# Altium PCB 0416.PcbDoc (part 2 of 3)
Units mm, origin at the board's own origin, x right, y up, seen from the top; angles counter-clockwise.
Board outline 152.4 x 101.6 mm, 4 copper layers (Top Layer, Signal Layer 2, Signal Layer 1, Bottom Layer), stack 0.778 mm thick; 260 components, 304 nets, 1192 pads, 269 vias.
Unrouted connection lines stored in the file: 259.
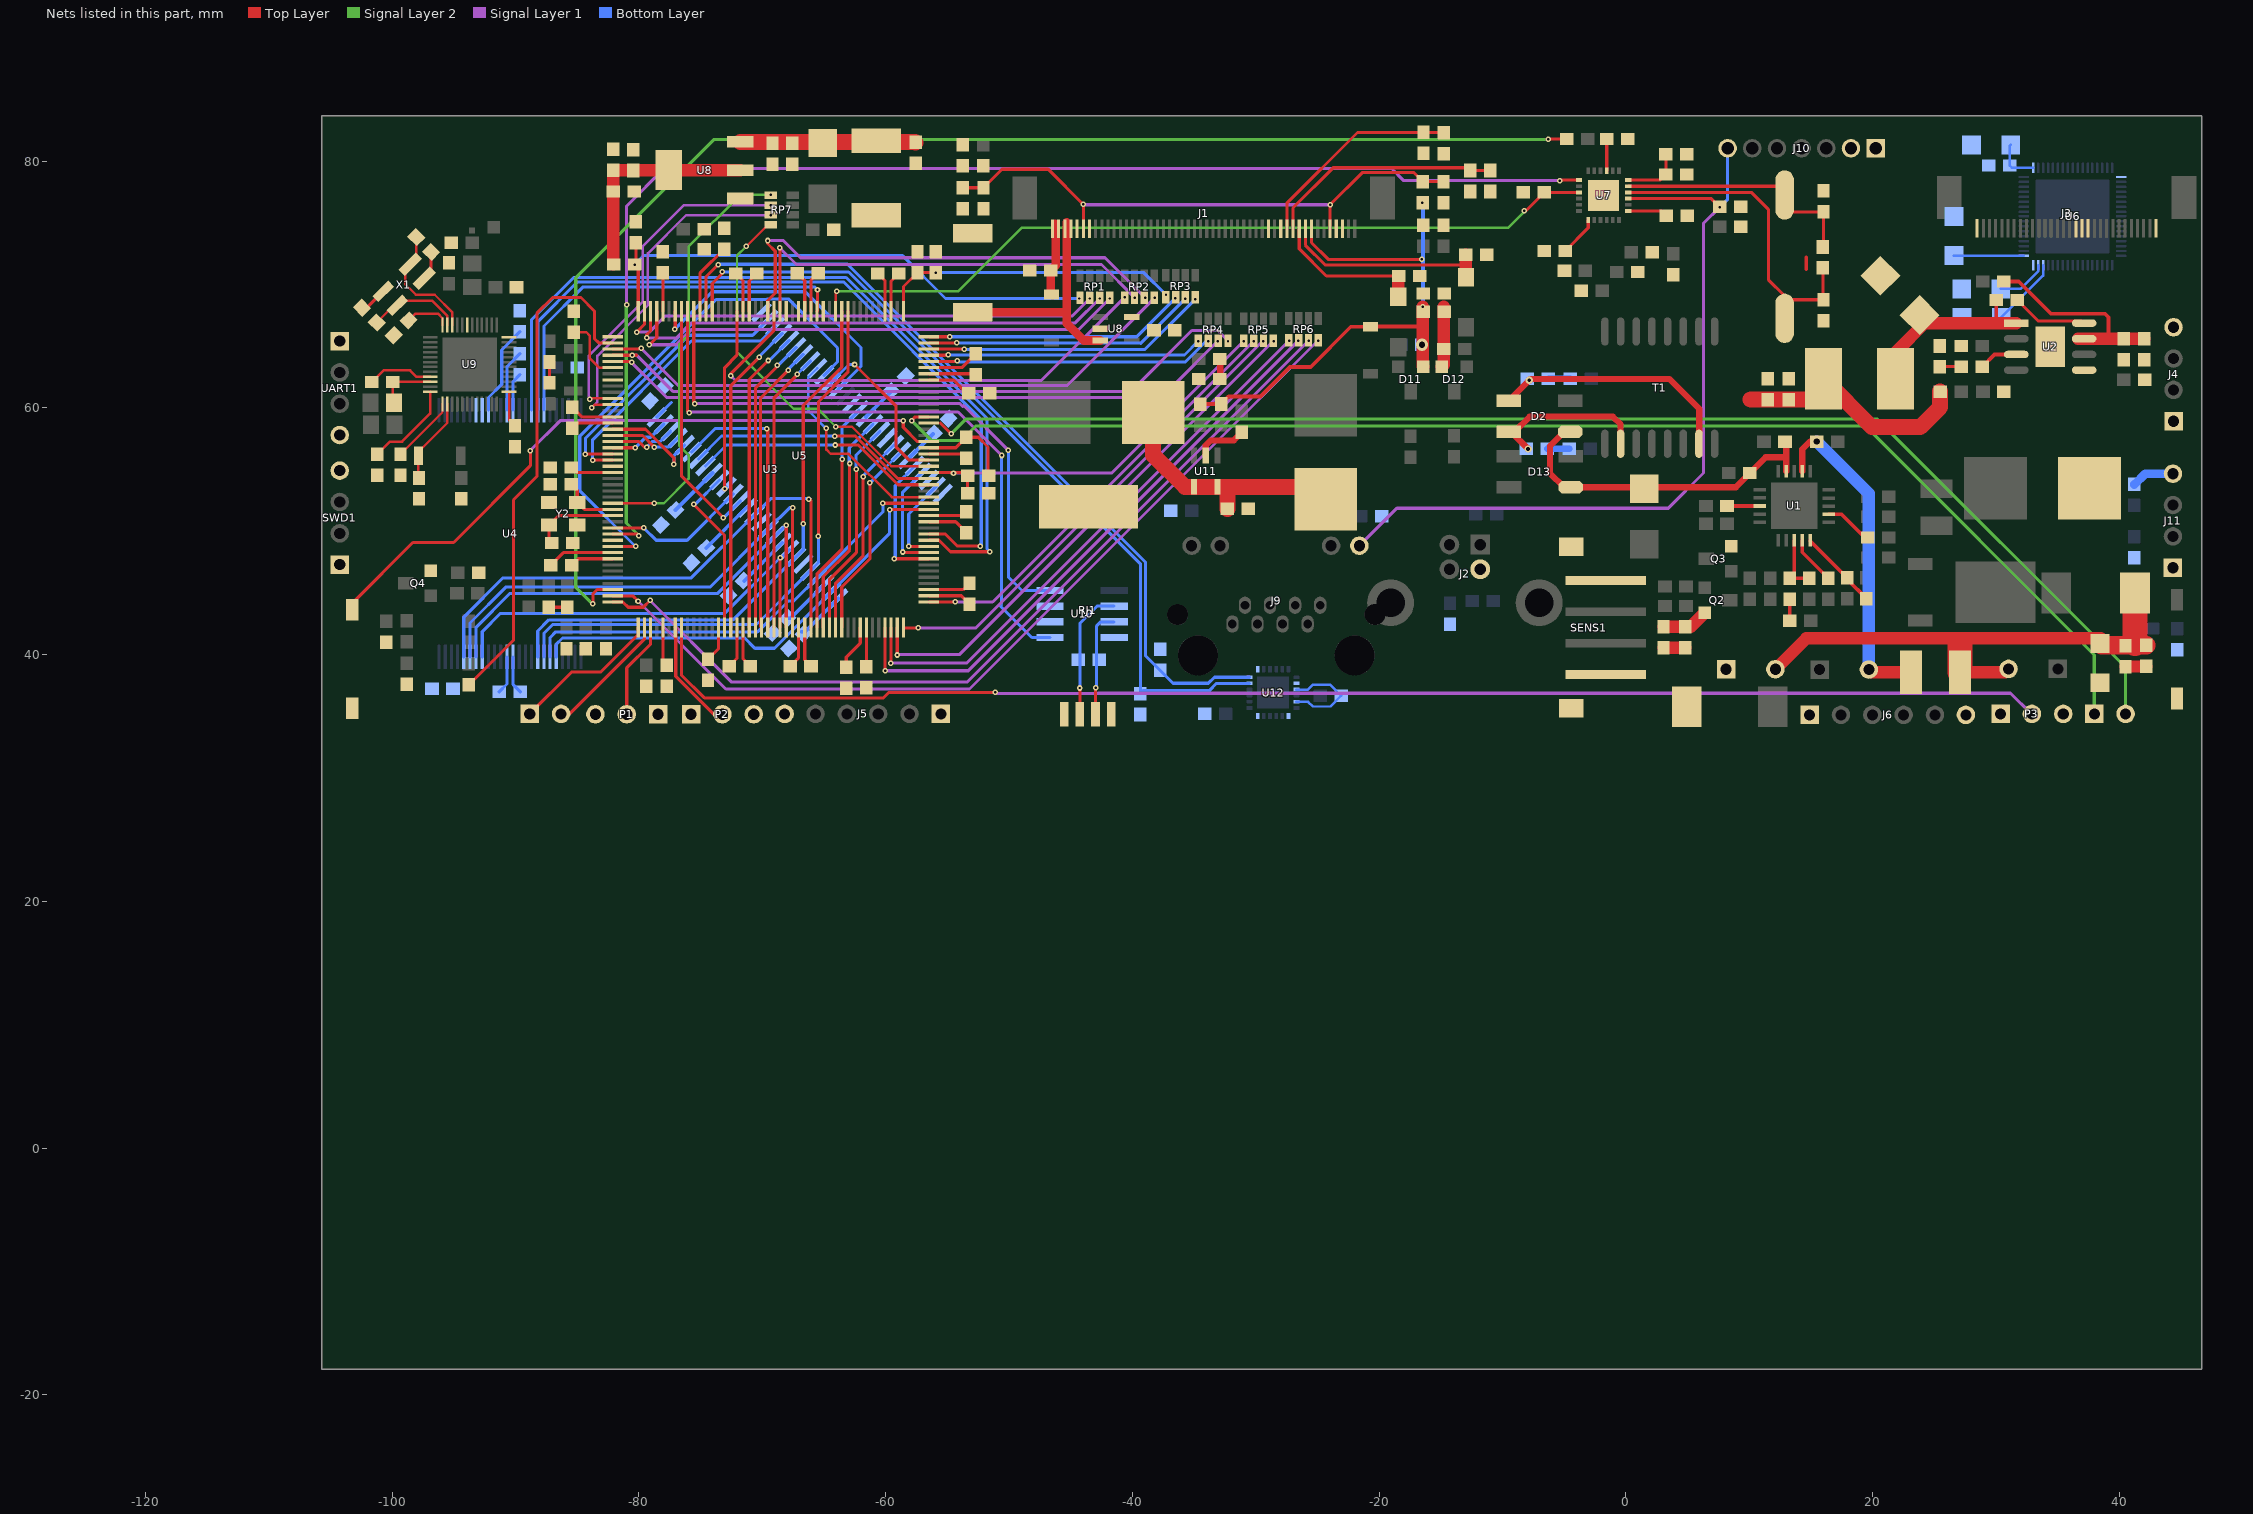
[diagram p4: the nets of this part, all layers, seen from the top]

## Via types
v1: diameter 0.45, hole 0.2, Top Layer to Bottom Layer, 216 vias
v2: diameter 0.5, hole 0.3, Top Layer to Bottom Layer, 36 vias
v3: diameter 0.6, hole 0.6, Top Layer to Bottom Layer, 9 vias
v4: diameter 1, hole 0.5, Top Layer to Bottom Layer, 6 vias
v5: diameter 0.6, hole 0.3, Top Layer to Bottom Layer, 2 vias

## Nets (pads, with @x,y where several pads share a name; then routed paths per layer and width w, separated by ;. In a path a pad name is that pad's centre, name@x,y a point inside that pad or via, vN(x,y) a via of type N, cw(c..) or ccw(c..) an arc to the next point about the centre after c; other vN are vias at no path point)
3V3: C2.2 C19.1 C34.2 C35.2 C36.2 C37.2 C38.2 C39.2 C40.2 C41.1 C42.2 C43.2 C44.2 C45.2 C46.2 C47.2 C53.2 C54.2 C55.2 C56.2 C57.2 C58.2 C59.2 C60.2 C61.2 C64.2 C67.2 C68.2 C69.2 C79.1 C82.1 C96.1 C99.2 C100.2 J1.7 J5.1 J6.1 P1.1 P2.1 P3.1 Q4.2 R6.2 R17.1 R18.2 R20.1 R21.2 R22.2 R24.2 R27.2 R32.2 R34.1 R36.1 R37.1 R39.2 R48.2 R49.1 R51.2 R55.1 R56.1 R57.1 R58.1 R65.1 R81.1 R82.1 SENS1.4 SWD1.4 U3.6 U3.15 U3.23 U3.36 U3.49 U3.62 U3.72 U3.82 U3.91 U3.103 U3.114 U3.127 U3.136 U3.149 U3.159 U3.172 U5.1 U5.3 U5.9 U5.14 U5.27 U5.43 U5.49 U6.33 U7.1 U7.9 U7.19 U8.2@-71.775,79.275 U8.4@-77.575,79.275 U9.13 U9.36 U9.48 U12.8 U12.13 | length 132.5
  Top Layer w0.2: C79.1@-101.2,56.25 -100.175,57.275 -99.2,57.275 -96.925,59.55 U9.48@-96.925,61.325 ; C82.1@-98.675,67.1 -98.125,67.65 -96.3,67.65 -95.925,67.275 U9.36@-95.925,66.725 ; U9.13@-90.525,61.325 -90.525,59.025 C96.1@-90.05,58.55 ; C19.1@-85.275,66.15 -84.275,66.15 -84,65.875 -84,64.05 -83.225,63.275 U3.6@-82.125,63.275
  Top Layer w0.254: C57.2@-87.15,47.25 -86.125,48.275 U3.36@-82.125,48.275 ; C43.2@-85.5,55.5 C43.2@-85.475,55.5 ; C43.2@-85.475,55.175 -85.075,54.775 U3.23@-82.125,54.775 ; C42.2@-85.4,58.35 -84.975,58.775 U3.15@-82.125,58.775 ; C46.2@-78.059,39.041 U3.49@-78.059,42.209 ; U3.172@-78.059,67.84 C47.2@-78.059,70.934 ; C60.2@-72.15,70.9 -71.56,70.31 U3.159@-71.56,67.84 ; U3.62@-71.56,42.209 -71.56,39.66 C58.2@-70.975,39.075 ; C59.2@-67.175,70.925 -66.559,70.309 U3.149@-66.559,67.84 ; U3.72@-66.559,42.209 -66.559,39.584 C44.2@-66.05,39.075 ; C45.2@-61.575,39.025 -61.559,39.041 U3.82@-61.559,42.209 ; C61.2@-60.65,70.9 -60.06,70.31 U3.136@-60.06,67.84 ; U3.91@-56.494,45.275 -53.725,45.275 C56.2@-53.2,45.8 ; U3.103@-56.494,51.275 -53.781,51.275 C53.2@-53.456,51.6 ; U3.114@-56.494,56.775 -54.306,56.775 C54.2@-53.456,57.625 -52.5,57.625 -51.706,56.831 R22.2@-51.706,54.575 ; U3.127@-56.494,63.275 -53.825,63.275 C55.2@-52.7,64.4 ; C69.2@-4.925,72.725 -3.05,74.6 U7.19@-3.05,75.225 ; U7.9@-1.55,79.225 C67.2@-1.55,81.8 ; U7.1@0.2,75.975 2.875,75.975 C68.2@3.275,75.575
  Top Layer w1: R27.2@-82.075,71.65 C41.1@-82.075,77.55 C100.2@-82.075,79.275 U8.2@-71.775,79.275
  Bottom Layer w0.2: C64.2@30.399,69.65 32,69.65 33.425,71.075 U6.33@33.425,71.575
  Bottom Layer w0.254: U5.27@-78.558,59.258 -77.375,60.441
  Bottom Layer w0.3: C37.2@-74.548,48.652 -71.296,51.904 U5.14@-71.204,51.904 ; C36.2@-71.473,45.978 U5.9@-68.375,49.075 ; C35.2@-67.948,42.952 -67.711,42.952 U5.3@-64.981,45.681 ; C34.2@-66.848,41.852 -66.548,41.852 U5.1@-63.85,44.55 ; U5.43@-61.587,59.258 -61.587,59.288 C39.2@-59.587,61.287 ; U5.49@-58.193,55.864 C40.2@-56.166,57.891
12V: C7.2 C9.1 C14.2 C15.2 C16.2 C52.2 C107.2 D3.1 J10.1 L1.2 R10.2 R14.2 R38.2 U2.7 | length 59.9
  Top Layer w0.3: R38.2@30.625,70.25 31.85,70.25 34.45,67.65 38.825,67.65 39.125,67.35 39.125,65.835 39.35,65.61
  Top Layer w1: C9.1@3.05,40.575 R10.2@4.825,40.575 ; C15.2@12.125,38.825 14.624,41.324 C14.2@38.5,41.324 ; L1.2@27.081,38.575 30.75,38.575 C16.2@31.025,38.85 ; U2.7@36.65,65.61 U2.7@37.15,65.61 39.35,65.61 40.335,65.61 C52.2@40.35,65.625 ; C52.2@40.35,65.61 42.01,65.61 C107.2@42.025,65.625
  Top Layer w1.5: C14.2@38.574,40.75 C7.2@42.175,40.75
  Top Layer w2: L1.2@27.081,38.575 27.081,40.65 ; 41.275,40.9 D3.1@41.275,45
52832RESET: U3.8 U9.24
+5V: C49.2 C50.2 C72.2 C94.2 C97.2 C98.1 C101.1 C102.2 D8.2 D20.2 J4.1 J11.1 L4.1 L7.1 L8.1 R41.2 RJ1.1 U8.3@-71.775,81.575 U10.3 U11.4 U11.5 UART1.4 | length 54.8
  Top Layer w1.3: U8.3@-71.775,81.575 -57.625,81.575 C102.2@-57.575,81.525 ; L4.1@-38.312,59.632 -38.312,56.187 -35.735,53.61 U11.4@-35,53.61 U11.5@-33.1,53.61 -32.4,53.61 ; C94.2@-32.3,51.825 -32.3,53.51 -32.4,53.61 ; L7.1@-24.318,52.612 -25.316,53.61 -32.4,53.61 ; 10.125,60.704 16.129,60.704 L8.1@16.129,61.55 ; L8.1@16.029,62.375 19.954,58.45 23.85,58.45 25.475,60.075 R41.2@25.475,61.325
+10.4V: C88.2 C92.2 C93.2 C95.1 D11.1 D15.2 J1.43 R26.2 R74.1 | length 44.7
  Top Layer w0.253: J1.43@-25.475,74.525 -25.475,73.4 -24.125,72.05 v1(-16.55,72.05)
  Top Layer w0.3: R74.1@-34.5,60.3 -34.475,60.325 C95.1@-32.8,60.325 -32.2,60.925 -29.625,60.925 -27.225,63.325 -25.55,63.325 -22.295,66.58 D15.2@-20.7,66.58 ; D15.2@-20.678,66.597 -16.472,66.597
  Top Layer w1: v1(-16.45,68.2) -16.45,66.575 -16.45,63.357 D11.1@-16.434,63.341
  Bottom Layer w0.3: v1(-16.5,76.625) v1@-16.375,76.5 ; v1(-16.45,68.2) v1@-16.45,76.65
  other v4: -16.525,65.125
+16V: C89.2 D14.1 J1.41 | length 12.3
  Top Layer w0.25: J1.41@-26.475,74.525 -26.475,72.9 -24.275,70.7 C89.2@-18.4,70.7
  Top Layer w1: D14.1@-18.45,69.007 -18.45,70.65 C89.2@-18.4,70.7
-7V: C84.1 D10.2 J1.42 | length 16.8
  Top Layer w0.25: J1.42@-25.975,74.525 -25.975,73.2 -24.35,71.575 -12.975,71.575
  Top Layer w1: D10.2@-12.975,70.607 -12.975,71.575 C84.1@-12.975,72.425
AD1: P1.2 U3.47 | length 7.9
  Top Layer w0.254: P1.2@-80.99,35.175 -80.99,38.933 -79.108,40.816 -79.059,40.816 U3.47@-79.059,42.209
AD2: P2.2 U3.51 | length 9
  Top Layer w0.254: U3.51@-77.059,42.209 -77.021,42.171 -77.021,38.246 -73.95,35.175 P2.2@-73.235,35.175
AD3: P3.2 U3.52 | length 115
  Top Layer w0.254: U3.52@-76.56,42.209 -76.56,38.36 -74.696,36.496 -60.179,36.496 -59.725,36.95 v1(-51.125,36.95)
  Signal Layer 1 w0.254: v1(-51.125,36.95) -51.021,36.846 -42.812,36.846 -42.784,36.875 31.185,36.875 P3.2@32.86,35.2
BL_GND: J1.3 J1.4 R71.2 U8.3@-42.6,65.475 | length 19
  Top Layer w0.7: R71.2@-52.95,67.75 -45.427,67.75 ; -45.325,75.05 -45.327,75.048 -45.327,66.852 -43.95,65.475 U8.3@-42.6,65.475
BL_VCC: C74.2 D9.2 J1.1 J1.2 | length 6
  Top Layer w0.7: D9.2@-46.475,69.13 D9.2@-46.55,69.205 -46.625,69.28 C74.2@-46.625,71.15 -46.225,71.55 -46.225,74.9 -46.25,74.925
BOOT0: R52.2 U3.166 | length 6
  Top Layer w0.254: U3.166@-75.059,67.84 -75.059,70.916 R52.2@-73.025,72.95
BOOT1: R53.2 U3.58 | length 2.9
  Top Layer w0.254: R53.2@-74.4,39.625 -73.56,40.465 U3.58@-73.56,42.209
CAN1_H: R73.2 RJ1.3 U10.7 | length 8.7
  Top Layer w0.25: RJ1.3@-42.99,35.175 v1@-42.99,37.31
  Bottom Layer w0.25: v1(-42.975,37.325) -42.925,37.375 -42.925,42.3 -42.56,42.665 U10.7@-41.475,42.665
CAN1_L: R73.1 RJ1.2 U10.6 | length 10.7
  Top Layer w0.25: RJ1.2@-44.26,35.175 -44.26,37.29 v1(-44.25,37.3)
  Bottom Layer w0.25: v1(-44.25,37.3) -44.25,42.55 -42.865,43.935 U10.6@-41.475,43.935
CAN1_RX: U3.167 U10.4 | length 48.8
  Top Layer w0.25: U3.167@-75.56,67.84 -75.56,60.285 -75.494,60.35 v1(-75.475,60.35)
  Signal Layer 1 w0.25: v1(-75.475,60.35) -53.975,60.35 -53.75,60.125 -53.675,60.2 v1(-50.05,56.575)
  Bottom Layer w0.25: v1(-50.05,56.575) -50.05,46.3 -48.955,45.205 U10.4@-46.675,45.205
CAN1_TX: U3.168 U10.1 | length 52.3
  Top Layer w0.25: v1@-76.059,59.725 U3.168@-76.059,67.84
  Signal Layer 1 w0.25: v1(-75.925,59.625) -75.925,59.65 -75.9,59.675 -75.614,59.675 -75.612,59.673 -75.238,59.673 -75.236,59.675 -54.125,59.675 v1(-50.6,56.15)
  Bottom Layer w0.25: v1(-50.6,56.15) -50.6,44.1 -50.725,43.975 -48.145,41.395 U10.1@-46.675,41.395
DEC1: C78.1 U9.1 | length 5.5
  Top Layer w0.2: C78.1@-99.325,56.25 -95.925,59.65 U9.1@-95.925,60.325
ETH_MDC: U3.33 U7.13 | length 108.3
  Top Layer w0.254: U3.33@-82.125,49.775 -80.125,49.775 v1(-80,49.65) ; v1(-5.35,78.429) v1@-5.35,78.475 ; v1@-5.35,78.475 U7.13@-3.8,78.475
  Signal Layer 1 w0.254: v1(-81,68.35) -81,76.375 -77.95,79.425 -18.996,79.425 -18,78.429 v1(-5.35,78.429)
  Signal Layer 2 w0.254: v1(-81,68.35) -81.029,68.321 -81.029,50.679 v1(-80,49.65)
ETH_MDIO: R54.2 U3.42 | length 114.7
  Top Layer w0.254: v1(-83.729,44.127) -83.729,44.946 -83.4,45.275 U3.42@-82.125,45.275 ; v1@-6.4,81.8 R54.2@-4.8,81.8
  Signal Layer 2 w0.254: v1(-83.729,44.127) -83.798,44.127 -85.125,45.454 -85.125,70.55 -73.9,81.775 v1(-6.3,81.775)
  Bottom Layer w0.254: v1@-83.731,44.125 v1(-83.729,44.127)
ETH_RESET: R66.1 U3.144 U7.15 | length 65.2
  Top Layer w0.2: U3.144@-64.06,67.84 -64.06,69.365 v1(-63.95,69.475)
  Top Layer w0.25: v1(-8.225,75.975) -8.1,75.975 R66.1@-6.6,77.475 U7.15@-3.8,77.475
  Signal Layer 2 w0.2: v1(-63.95,69.475) -54.1,69.475 -48.975,74.6 -9.55,74.6 -8.225,75.925 v1(-8.225,75.975)
FSMC_A0: U3.16 U5.23 | length 8.3
  Top Layer w0.25: U3.16@-82.125,58.275 -79.475,58.275 -77.175,55.975 v1(-77.175,55.45)
  Bottom Layer w0.25: v1(-77.175,55.45) -77.175,56.115 U5.23@-76.295,56.995
FSMC_A1: U3.17 U5.24 | length 6
  Top Layer w0.25: U3.17@-82.125,57.775 -79.7,57.775 v1(-78.75,56.825)
  Bottom Layer w0.25: v1(-78.75,56.825) -77.597,56.825 U5.24@-76.861,57.561 U5.24@-76.861,57.564
FSMC_A2: U3.18 U5.25 | length 5.5
  Top Layer w0.25: U3.18@-82.125,57.275 -80,57.275 -79.528,56.803 v1(-79.379,56.803)
  Bottom Layer w0.25: v1@-79.414,56.8 -78.937,57.277 -78.276,57.277 U5.25@-77.426,58.126 ; v1@-79.411,56.803 v1(-79.379,56.803)
FSMC_A3: U3.19 U5.26 | length 4.9
  Top Layer w0.25: U3.19@-82.125,56.775 v1(-80.3,56.775)
  Bottom Layer w0.25: v1(-80.3,56.775) -79.447,57.628 -79.056,57.628 U5.26@-77.992,58.692
FSMC_A4: U3.20 U5.29 | length 22.3
  Top Layer w0.254: v1(-84.35,56.25) -84.325,56.275 U3.20@-82.125,56.275
  Bottom Layer w0.254: v1@-84.346,56.254 -84.346,57.529 -75.975,65.9 -70.784,65.9 U5.29@-69.507,67.177
FSMC_A5: U3.21 U5.30 | length 22
  Top Layer w0.254: v1@-83.85,55.8 -83.825,55.775 U3.21@-82.125,55.775
  Bottom Layer w0.254: v1(-83.75,55.775) -83.75,57.425 -75.75,65.425 -70.128,65.425 U5.30@-68.941,66.612
FSMC_A6: U3.60 U5.31 | length 25.5
  Top Layer w0.254: U3.60@-72.56,42.209 -72.56,61.79 v1(-70.25,64.1)
  Bottom Layer w0.254: v1@-70.25,64.172 U5.31@-68.376,66.046
FSMC_A7: U3.63 U5.32 | length 24.7
  Top Layer w0.25: U3.63@-71.059,42.209 -71.059,62.316 v1(-69.525,63.85)
  Bottom Layer w0.254: v1(-69.525,63.85) -69.44,63.85 U5.32@-67.81,65.48
FSMC_A8: U3.64 U5.33 | length 24.2
  Top Layer w0.25: U3.64@-70.56,42.209 -70.56,61.59 v1@-68.725,63.425
  Bottom Layer w0.254: v1(-68.775,63.475) -68.775,63.384 U5.33@-67.244,64.915
FSMC_A9: U3.65 U5.34 | length 23.6
  Top Layer w0.25: U3.65@-70.059,42.209 -70.152,42.302 -70.152,60.798 v1(-67.9,63.05)
  Bottom Layer w0.254: v1(-67.9,63.05) -67.9,63.127 U5.34@-66.678,64.349
FSMC_A10: U3.66 U5.22 | length 23
  Top Layer w0.25: v1(-69.625,58.325) -69.56,58.26 U3.66@-69.56,42.209
  Bottom Layer w0.25: U5.22@-75.729,56.429 -73.834,58.325 v1(-69.625,58.325)
FSMC_A11: U3.67 U5.35 | length 22.8
  Top Layer w0.254: U3.67@-69.059,42.209 -69.059,60.791 v1@-67.125,62.725
  Bottom Layer w0.254: v1(-67.15,62.75) -67.146,62.75 U5.35@-66.113,63.783
FSMC_A12: U3.106 U5.36 | length 17.2
  Top Layer w0.2: v1@-64.8,58.15 -64.8,56.625 -64.45,56.275 -63.703,56.275 -63.702,56.277 -62.998,56.277 -59.497,52.775 U3.106@-56.494,52.775
  Bottom Layer w0.2: U5.36@-65.547,63.218 -66.275,62.49 -66.275,59.8 v1(-64.825,58.35)
FSMC_A16_CLE: U3.99 U4.16 | length 66.6
  Top Layer w0.25: U3.99@-56.494,49.275 -55.675,49.275 -54.748,48.348 -51.552,48.348 v1(-51.55,48.35)
  Bottom Layer w0.25: U4.16@-88.7,59.825 -88.7,67.168 -85.291,70.577 -73.44,70.577 -73.437,70.573 -73.063,70.573 -73.06,70.577 -63.202,70.577 -51.775,59.15 -51.775,48.575 v1(-51.55,48.35)
FSMC_A17_ALE: U3.100 U4.17 | length 63.9
  Top Layer w0.254: U3.100@-56.494,49.775 -55.15,49.775 -54.175,48.8 v1(-52.35,48.8)
  Bottom Layer w0.25: U4.17@-88.2,59.825 -88.2,67 -84.975,70.225 -73.586,70.225 -73.583,70.222 -72.917,70.222 -72.914,70.225 -63.425,70.225 -52.25,59.05 -52.25,48.9 v1(-52.35,48.8)
FSMC_BA0: U3.108 U5.20 | length 20.1
  Top Layer w0.25: v1(-64.081,57) -62.225,57 -59,53.775 U3.108@-56.494,53.775
  Bottom Layer w0.25: U5.20@-74.598,55.298 -72.896,57 v1(-64.081,57)
FSMC_BA1: U3.109 U5.21 | length 20.9
  Top Layer w0.25: v1(-64.125,57.725) -62.453,57.725 -59.003,54.275 U3.109@-56.494,54.275
  Bottom Layer w0.25: U5.21@-75.164,55.864 -73.302,57.725 v1(-64.125,57.725)
FSMC_D0: U3.104 U4.29 U5.2 | length 37.5
  Top Layer w0.254: v1(-59.675,51.75) -59.65,51.775 U3.104@-56.494,51.775
  Bottom Layer w0.25: U4.29@-86.7,39.825 -86.7,40.85 -86.2,41.35 -71.425,41.35 -70.6,40.525 -69.006,40.525 U5.2@-64.416,45.116
  Bottom Layer w0.254: U5.2@-64.416,45.116 -59.675,49.856 v1(-59.675,51.75)
FSMC_D1: U3.105 U4.30 U5.4 | length 37.2
  Top Layer w0.254: v1(-60.225,52.275) U3.105@-56.494,52.275
  Bottom Layer w0.254: U4.30@-87.2,39.825 -87.2,41.4 -86.75,41.85 -70.375,41.85 -67.875,44.35 -67.444,44.35 U5.4@-65.547,46.247 -60.225,51.569 v1(-60.225,52.275)
FSMC_D2: U3.142 U4.31 U5.5 | length 47.9
  Top Layer w0.254: v1(-65.45,49.6) -65.45,60.5 -63.06,62.89 U3.142@-63.06,67.84
  Bottom Layer w0.254: U4.31@-87.7,39.825 -87.7,41.75 -87,42.45 -70.475,42.45 U5.5@-66.113,46.813 -65.45,47.475 v1(-65.45,49.6)
FSMC_D3: U3.143 U4.32 U5.7 | length 47
  Top Layer w0.254: v1(-66.679,50.629) -66.679,60.196 -63.559,63.316 U3.143@-63.559,67.84
  Bottom Layer w0.25: U4.32@-88.2,39.825 -88.2,41.925 -87.3,42.825 -72.363,42.825 U5.7@-67.244,47.944
  Bottom Layer w0.3: U5.7@-67.244,47.944 -66.679,48.51 v1(-66.679,50.629)
FSMC_D4: U3.68 U4.41 U5.8 | length 35.4
  Top Layer w0.254: U3.68@-68.56,42.209 -68.56,47.846 v1(-68.528,47.877) v1@-68.477,47.877
  Bottom Layer w0.254: U4.41@-92.7,39.825 -92.7,41.875 -91.225,43.35 -73.056,43.35 v1(-68.528,47.877) -68.526,47.875 -68.445,47.875 U5.8@-67.81,48.51
FSMC_D5: U3.69 U4.42 U5.10 | length 39.3
  Top Layer w0.254: v1(-68.075,50.507) -68.059,50.492 U3.69@-68.059,42.209
  Bottom Layer w0.25: U4.42@-93.2,39.825 -93.2,42.225 -90.45,44.975 -73.607,44.975 U5.10@-68.941,49.641
  Bottom Layer w0.254: U5.10@-68.941,49.641 v1(-68.075,50.507)
FSMC_D6: U3.70 U4.43 U5.11 | length 42.5
  Top Layer w0.254: U3.70@-67.55,42.219 v1(-67.55,51.925)
  Bottom Layer w0.254: U4.43@-93.7,39.825 -93.7,42.575 -90.8,45.475 -74.239,45.475 U5.11@-69.507,50.207 -67.789,51.925 v1(-67.55,51.925)
FSMC_D7: U3.73 U4.44 U5.13 | length 45.8
  Top Layer w0.254: v1(-66.225,52.6) -66.169,52.6 -66.06,52.49 U3.73@-66.06,42.209
  Bottom Layer w0.254: U4.44@-94.2,39.825 -94.2,43.05 -91.025,46.225 -75.751,46.225 U5.13@-70.638,51.338 -69.326,52.65 -66.15,52.65 -66.2,52.6 v1(-66.225,52.6)
FSMC_D8: U3.74 U5.42 | length 19
  Top Layer w0.254: U3.74@-65.559,42.209 -65.559,46.566 -63.525,48.6 v1(-63.525,55.85)
  Bottom Layer w0.254: v1(-63.525,55.85) -63.525,58.451 U5.42@-62.153,59.824
FSMC_D9: U3.75 U5.44 | length 18.2
  Top Layer w0.254: U3.75@-65.06,42.209 -65.06,46.34 -62.925,48.475 v1(-62.925,55.5)
  Bottom Layer w0.254: v1(-62.925,55.5) -62.95,55.525 -62.95,56.764 U5.44@-61.022,58.692
FSMC_D10: U3.76 U5.45 | length 17.6
  Top Layer w0.254: U3.76@-64.559,42.209 -64.559,46.091 -62.375,48.275 v1(-62.375,55.025)
  Bottom Layer w0.254: v1(-62.375,55.025) -62.4,55.05 -62.4,56.182 U5.45@-60.456,58.126
FSMC_D11: U3.77 U5.47 | length 16.9
  Top Layer w0.254: U3.77@-64.06,42.209 -64.06,45.79 -61.825,48.025 v1(-61.825,54.425)
  Bottom Layer w0.254: v1(-61.825,54.425) -61.85,54.425 -61.9,54.475 -61.845,54.475 U5.47@-59.325,56.995
FSMC_D12: U3.78 U5.48 | length 16.2
  Top Layer w0.254: U3.78@-63.559,42.209 -63.559,45.491 -61.275,47.775 v1(-61.275,53.95)
  Bottom Layer w0.254: v1(-61.275,53.95) -61.238,53.95 U5.48@-58.759,56.429
FSMC_D13: U3.96 U5.50 | length 11
  Top Layer w0.254: v1(-59.3,47.775) U3.96@-56.494,47.775
  Bottom Layer w0.254: v1(-59.3,47.775) -59.221,47.854 -59.221,53.704 U5.50@-57.627,55.298
FSMC_D14: U3.97 U5.51 | length 9.2
  Top Layer w0.254: v1(-58.625,48.325) -58.575,48.275 U3.97@-56.494,48.275
  Bottom Layer w0.254: v1(-58.625,48.325) -58.625,53.169 U5.51@-57.062,54.732
FSMC_D15: U3.98 U5.53 | length 7.4
  Top Layer w0.254: v1(-58.125,48.8) -58.1,48.775 U3.98@-56.494,48.775
  Bottom Layer w0.254: v1(-58.125,48.8) -58.125,51.406 U5.53@-55.93,53.601
FSMC_NBL0: U3.169 U5.15 | length 20.1
  Top Layer w0.254: U3.169@-76.56,67.84 -76.56,54.51 v1(-73.15,51.1)
  Bottom Layer w0.254: v1(-73.15,51.1) -73.139,51.1 U5.15@-71.77,52.47
FSMC_NBL1: U3.170 U5.39 | length 23.9
  Top Layer w0.254: v1(-77.1,66.375) -77.059,66.416 U3.170@-77.059,67.84
  Bottom Layer w0.254: v1(-77.1,66.375) -74.05,69.425 -66.525,69.425 -62,64.9 -62,63.371 U5.39@-63.85,61.521
FSMC_NCE3: R37.2 U3.152 U4.9 | length 7.4
  Bottom Layer w0.254: U4.9@-92.2,59.825 -92.2,60.85 -91.125,61.925 -91.125,64.7 R37.2@-89.65,66.175
FSMC_NOE: U3.146 U4.8
FSMC_NWAIT: U3.150 U4.7
FSMC_NWE: U3.147 U4.18 | length 32.2
  Top Layer w0.254: U3.147@-65.559,67.84 -65.525,67.875 v1(-65.525,69.6)
  Bottom Layer w0.254: U4.18@-87.7,59.825 -87.7,66.65 -84.55,69.8 -65.725,69.8 v1(-65.525,69.6)
FSMC_SDCKE0: U3.35 U5.37 | length 42.5
  Top Layer w0.254: U3.35@-82.125,48.775 v1(-80.275,48.775)
  Bottom Layer w0.254: v1(-80.275,48.775) -84.804,53.304 -84.804,57.721 -73.725,68.8 -69.622,68.8 -69.602,68.82 -67.845,68.82 -63.9,64.875 -63.9,63.733 U5.37@-64.981,62.652
FSMC_SDCLK: U3.112 U5.38 | length 13.7
  Top Layer w0.254: v1(-62.525,63.525) -59.15,60.15 -59.15,56.825 -58.1,55.775 U3.112@-56.494,55.775
  Bottom Layer w0.254: U5.38@-64.416,62.086 -62.977,63.525 v1(-62.525,63.525)
FSMC_SDNCAS: U3.160 U5.17 | length 15
  Top Layer w0.254: v1(-73.052,53.45) -73.052,63.273 -72.059,64.266 U3.160@-72.059,67.84
  Bottom Layer w0.254: v1(-73.052,53.45) U5.17@-72.901,53.601
FSMC_SDNE0: R49.2 U3.34 U5.19 | length 4.2
  Bottom Layer w0.3: R49.2@-77.03,51.734 U5.19@-74.032,54.732
FSMC_SDNRAS: U3.59 U5.18 | length 13.8
  Top Layer w0.25: v1(-75.575,52.2) -73.059,49.684 U3.59@-73.059,42.209
  Bottom Layer w0.25: v1@-75.433,52.2 U5.18@-73.467,54.167
FSMC_SDNWE: U3.32 U5.16 | length 11.8
  Top Layer w0.254: U3.32@-82.125,50.275 v1(-79.6,50.275)
  Bottom Layer w0.254: v1(-79.6,50.275) -78.6,49.275 -76.096,49.275 U5.16@-72.335,53.035
GND: C2.1 C7.1 C10.1 C14.1 C15.1 C17.1 C18.1 C19.2 C20.1 C21.1 C22.1 C23.1 C24.1 C25.1 C26.1 C27.1 C28.1 C29.2 C30.2 C31.2 C32.1 C33.1 C34.1 C35.1 C36.1 C37.1 C38.1 C39.1 C40.1 C41.2 C42.1 C43.1 C44.1 C45.1 C46.1 C47.1 C49.1 C50.1 C52.1 C53.1 C54.1 C55.1 C56.1 C57.1 C58.1 C59.1 C60.1 C61.1 C62.1 C63.1 C64.1 C65.1 C66.1 C67.1 C68.1 C69.1 C70.2 C71.2 C72.1 C74.1 C75.1 C76.2 C77.2 C78.2 C79.2 C80.2 C81.2 C82.2 C83.2 C84.2 C87.1 C89.1 C90.1 C91.1 C92.1 C93.1 C94.1 C96.2 C97.1 C98.2 C99.1 C100.1 C101.2 C102.1 C107.1 C110.1 C116.2 C117.1 D4.1 D6.2 D12.2 J1.5 J1.36 J1.38 J1.47 J1.48 J2.4 J3.1 J3.17 J3.18 J3.19 J3.30 J4.4 J5.6 J6.6 J10.2 J11.4 L2.2 P1.3 P2.3 P3.3 Q3.2 R14.1 R16.2 R19.2 R23.2 R25.2 R28.2 R29.2 R30.1 R33.2 R35.1 R42.2 R43.1 R44.2 R45.2 R50.1 R52.1 R53.1 R59.1 R60.1 R63.2 R64.2 R66.2 R69.2 R71.1 R75.2 R100.2 R200.2 RJ1.4 RJ1.5 S1.2 S2.1 SENS1.1 SENS1.5 SWD1.1 U2.5 U2.9 U3.14 U3.22 U3.37 U3.61 U3.71 U3.90 U3.102 U3.113 U3.126 U3.135 U3.148 U3.158 U4.13 U4.36 U5.6 U5.12 U5.28 U5.41 U5.46 U5.52 U5.54 U6.1 U6.34 U7.25 U8.1@-71.775,76.975 U8.2@-42.6,66.425 U9.31 U9.45 U10.2 U10.8 U11.2 U12.1 U12.9 U12.11 U12.18 UART1.1 X1.2 X1.4 Y2.2 Y2.4 | length 80.6
  Top Layer w0.2: C75.1@-101.65,62.1 -100.7,63.05 -98.55,63.05 -98.025,62.525 U9.45@-96.925,62.525
  Top Layer w0.254: C76.2@-102.452,68.127 -102.054,68.127 X1.2@-100.726,69.455 ; X1.4@-97.403,70.516 -96.848,71.071 C80.2@-96.848,72.648 ; C21.1@-87.3,43.975 C21.1@-87.3,43.85 C22.1@-85.625,43.85 ; C30.2@-87.25,62.05 C29.2@-87.25,63.725 ; C57.1@-85.45,47.25 -84.925,47.775 U3.37@-82.125,47.775 ; C42.1@-85.4,60.05 -84.625,59.275 U3.14@-82.125,59.275 ; C58.1@-72.675,39.075 -72.059,39.691 U3.61@-72.059,42.209 ; U3.158@-71.059,67.84 -71.059,70.291 C60.1@-70.45,70.9 ; C44.1@-67.75,39.075 -67.06,39.766 U3.71@-67.06,42.209 ; U3.148@-66.06,67.84 -66.06,70.34 C59.1@-65.475,70.925 ; U3.135@-59.559,67.84 -59.559,70.291 C61.1@-58.95,70.9 ; U3.90@-56.494,44.775 -53.875,44.775 C56.1@-53.2,44.1 ; U3.102@-56.494,50.775 -54.331,50.775 C53.1@-53.456,49.9 ; U3.113@-56.494,56.275 -53.806,56.275 C54.1@-53.456,55.925 ; U3.126@-56.494,62.775 -52.775,62.775 C55.1@-52.7,62.7 ; C54.1@-53.578,55.803 C54.1@-53.375,55.6 ; C53.1@-53.316,50.041 C53.1@-53.175,49.9
  Top Layer w0.5: U11.2@-34.05,56.15 -34.05,56.975 -33.65,57.375 -31.775,57.375 R75.2@-31.125,58.025
  Top Layer w1: D12.2@-14.916,63.341 -14.75,63.507 C93.1@-14.75,68.2 ; R14.1@40.5,39.025 40.525,39.05 C7.1@42.175,39.05
  Bottom Layer w0.2: U12.11@-26.7,36.175 -25.75,36.175 -25.375,35.8 -23.95,35.8 C117.1@-23.075,36.675 -23.975,37.575 -25.375,37.575 -25.775,37.175 U12.9@-26.7,37.175
  Bottom Layer w0.254: U4.36@-90.2,39.825 -90.2,37.575 C24.1@-89.625,37 ; U4.13@-90.2,59.825 -90.2,62.15 C25.1@-89.65,62.7
  Bottom Layer w0.7: R50.1@41.225,53.8 42.095,54.67 J11.4@44.35,54.67
I2C1_SCL: R81.2 U3.164 U12.23 | length 67
  Top Layer w0.25: U3.164@-74.059,67.84 -74.059,70.091 -73.225,70.925 -73.25,70.95 v1(-73.25,71.025)
  Bottom Layer w0.25: v1(-73.25,71.025) -63,71.025 -39.35,47.375 R81.2@-39.35,36.85 -39.125,37.075 -33.775,37.075 -33.175,37.675 U12.23@-30.5,37.675
I2C1_SDA: R82.2 U3.165 U12.24 | length 65.8
  Top Layer w0.25: U3.165@-74.56,67.84 -74.56,70.64 v1(-73.575,71.625)
  Bottom Layer w0.25: v1@-73.425,71.65 -63.1,71.65 -38.925,47.475 -38.925,39.9 R82.2@-37.75,38.725 -36.713,37.687 -33.837,37.687 -33.35,38.175 U12.24@-30.5,38.175
I2C2_SCL: J7.1 U3.45 | length 12
  Top Layer w0.254: J7.1@-88.85,35.2 -85.45,38.6 -83.1,38.6 -80.06,41.64 U3.45@-80.06,42.209
I2C2_SDA: J7.2 U3.46 | length 10.2
  Top Layer w0.254: J7.2@-86.31,35.2 -85.606,35.2 -79.56,41.246 U3.46@-79.56,42.209
I2C3_SCL: J8.1 U3.119 | length 111
  Top Layer w0.254: v1(-57.9,58.975) -57.6,59.275 U3.119@-56.494,59.275
  Signal Layer 2 w0.254: v1(-57.9,58.975) -56.3,57.375 -53.85,57.375 -52.675,58.55 19.4,58.55 37.975,39.975 J8.1@37.975,35.2
I2C3_SDA: J8.2 U3.118 | length 109
  Top Layer w0.254: -55.55,58.775 -54.7,57.925 v1(-54.675,57.925)
  Signal Layer 2 w0.254: v1(-54.675,57.925) -53.5,59.1 20.375,59.1 40.515,38.96 J8.2@40.515,35.2
KEY1: S2.2 U3.115 | length 55.2
  Top Layer w0.25: S2.2@-103.25,43.65 -103.25,44.175 -98.325,49.1 -95.025,49.1 -88.8,55.325 v1(-88.8,56.55) ; v1(-58.575,58.975) -58.575,58.425 -57.425,57.275 U3.115@-56.494,57.275
  Signal Layer 1 w0.25: v1(-88.8,56.55) -86.348,59.002 -58.602,59.002 v1(-58.575,58.975)
LCD_B0: RP2.7 U3.3 | length 48.2
  Top Layer w0.25: U3.3@-82.125,64.775 -80.028,64.775 -79.902,64.902 v1(-79.825,64.825)
  Signal Layer 1 w0.25: v1(-79.825,64.825) -76.825,61.825 -45.275,61.825 v1(-38.175,68.925)
LCD_B1: RP2.5 U3.155 | length 38.8
  Top Layer w0.25: v1(-69.575,73.575) -69.575,73.336 -68.95,72.711 -68.95,69.325 -69.56,68.715 U3.155@-69.56,67.84
  Signal Layer 1 w0.25: v1(-69.575,73.575) -68.3,73.575 -66.9,72.175 -42.225,72.175 v1(-38.975,68.925)
LCD_B2: RP2.3 U3.153 | length 35.7
  Top Layer w0.25: v1(-68.6,73) -68.56,72.96 U3.153@-68.56,67.84
  Signal Layer 1 w0.25: v1(-68.6,73) -67.225,71.625 -42.5,71.625 v1(-39.8,68.925)
LCD_B3: RP2.1 U3.154 | length 41.6
  Top Layer w0.25: v1(-72.55,62.6) -72.55,62.775 -69.059,66.266 U3.154@-69.059,67.84
  Signal Layer 1 w0.25: v1(-72.55,62.6) -72.175,62.225 -47.375,62.225 v1(-40.625,68.975)
LCD_B4: RP1.7 U3.173 | length 41.8
  Top Layer w0.25: v1(-79.15,65.125) -78.56,65.715 U3.173@-78.56,67.84
  Signal Layer 1 w0.25: v1(-79.15,65.125) -76.975,65.125 -75.725,66.375 -44.325,66.375 v1(-41.825,68.875)
LCD_B5: RP1.5 U3.174 | length 40.4
  Top Layer w0.25: v1(-79.365,65.677) -79.365,65.935 -79.059,66.241 U3.174@-79.059,67.84
  Signal Layer 1 w0.25: v1(-79.365,65.677) -77.077,65.677 -77.025,65.625 -75.75,66.9 -44.625,66.9 v1(-42.65,68.875)
LCD_B6: RP1.3 U3.175 | length 39.8
  Top Layer w0.25: v1(-80.175,66.15) -79.56,66.765 U3.175@-79.56,67.84 ; RP1.3@-43.45,68.775 RP1.3@-43.45,68.825
  Signal Layer 1 w0.25: v1(-80.175,66.15) -79.175,66.15 -77.875,67.45 -44.875,67.45 v1(-43.45,68.875)
LCD_B7: R27.1 R29.1 RP1.1 U3.176 | length 43.5
  Top Layer w0.25: R29.1@-80.25,73.4 -80.25,71.725 v1(-80.35,71.625) -80.06,71.335 U3.176@-80.06,67.84
  Bottom Layer w0.25: v1(-80.35,71.625) -79.625,72.35 -58.625,72.35 -55.15,68.875 v1(-44.3,68.875)
LCD_BL: R69.1 R70.1 U3.1 | length 1.6
  Top Layer w0.5: R69.1@-32.925,62.35 -32.875,62.4 R70.1@-32.875,63.975
LCD_CLK: RP7.7 U3.111 | length 31
  Top Layer w0.2: v1(-71.3,73.1) -69.55,74.85 RP7.7@-69.325,74.85 ; v1(-64.05,58.475) -62.741,58.475 -59.541,55.275 U3.111@-56.494,55.275
  Signal Layer 2 w0.2: v1(-71.3,73.1) -72.05,72.35 -72.05,64.525 -67.45,59.925 -65.5,59.925 v1(-64.05,58.475)
LCD_DE: RP7.1 U3.28 | length 34.8
  Top Layer w0.2: U3.28@-82.125,52.275 v1(-78.775,52.275)
  Signal Layer 2 w0.2: v1(-78.775,52.275) -77.975,52.275 -75.975,54.275 -75.975,56.175 -76.725,56.925 -76.725,65.175 -75.975,65.925 -75.975,73.075 -71.775,77.275 v1(-69.325,77.275)
LCD_G0: RP4.7 U3.4 | length 54.2
  Top Layer w0.25: U3.4@-82.125,64.275 -80.182,64.275 -80.184,64.277 v1(-80.56,64.277)
  Signal Layer 1 w0.25: v1(-80.56,64.277) -80.177,64.277 -77.251,61.35 -40.1,61.35 -35.175,66.275 -33.075,66.275 v1@-32.25,65.45
  other v1: -32.25,65.425
LCD_G1: RP4.5 U3.5 | length 52.2
  Top Layer w0.25: U3.5@-82.125,63.775 -80.625,63.775 v1(-80.575,63.725)
  Signal Layer 1 w0.25: v1(-80.575,63.725) -80.575,63.675 -78.7,61.8 -77.75,60.85 -37.65,60.85 -36.7,61.8 v1(-33.075,65.425)
LCD_G2: RP4.3 U3.128 | length 23.4
  Top Layer w0.25: U3.128@-56.494,63.775 -54.254,63.775 v1(-54.202,63.827)
  Signal Layer 1 w0.25: v1(-54.202,63.827) v1@-54.201,63.825
  Bottom Layer w0.25: v1(-54.202,63.827) -54.099,63.723 -35.713,63.723 v1@-34.011,65.425 ; v1@-34.011,65.325 v1@-33.85,65.325
  other v1: -33.85,65.425
LCD_G3: RP4.1 U3.129 | length 22.3
  Top Layer w0.25: U3.129@-56.494,64.275 -54.95,64.275 v1(-54.925,64.3)
  Bottom Layer w0.25: v1(-54.925,64.3) -54.923,64.298 -35.777,64.298 v1(-34.65,65.425)
LCD_G4: RP3.7 U3.130 | length 23.3
  Top Layer w0.25: U3.130@-56.494,64.775 -53.65,64.775 v1(-53.625,64.75)
  Bottom Layer w0.25: v1(-53.625,64.75) -38.975,64.75 v1(-34.9,68.825)
LCD_G5: RP3.5 U3.131 | length 22.3
  Top Layer w0.25: U3.131@-56.494,65.275 v1(-54.25,65.275)
  Bottom Layer w0.25: v1(-54.25,65.275) -39.35,65.275 -39.325,65.25 v1(-35.725,68.85)
LCD_G6: RP3.3 U3.132 | length 21.3
  Top Layer w0.25: U3.132@-56.494,65.775 v1(-54.8,65.775)
  Bottom Layer w0.25: v1(-54.8,65.775) -39.65,65.775 v1(-36.525,68.9)
LCD_G7: R24.1 R25.1 RP3.1 U3.133 | length 24.5
  Top Layer w0.25: U3.133@-58.559,67.84 -58.559,69.841 R24.1@-57.425,70.975 v1(-55.95,70.975)
  Bottom Layer w0.25: v1(-55.95,70.975) -39.075,70.975 v1(-37.275,69.175)
LCD_HS: RP7.5 U3.12 | length 27.4
  Top Layer w0.2: v1(-83.825,60.025) -83.575,60.275 U3.12@-82.125,60.275
  Signal Layer 1 w0.2: v1(-83.825,60.025) -83.375,60.475 -83.375,64.225 -79.275,68.325 -79.275,72.525 -76.175,75.625 v1(-69.325,75.625)
LCD_LR: J1.39 R6.1 R16.1 | length 17.2
  Top Layer w0.25: J1.39@-27.475,74.525 -27.475,76.6 -21.75,82.325 R6.1@-14.75,82.325
LCD_R0: RP6.7 U3.43 | length 72
  Top Layer w0.25: U3.43@-82.125,44.775 -80.5,44.775 v1(-80.075,44.35)
  Signal Layer 1 w0.25: v1(-80.075,44.35) -72.95,37.225 -53.2,37.225 v1@-24.95,65.475
  other v1: -24.95,65.45
LCD_R1: RP6.5 U3.44 | length 71
  Top Layer w0.25: U3.44@-82.125,44.275 -81.3,44.275 -80.873,43.848 -79.652,43.848 v1(-79.1,44.4)
  Signal Layer 1 w0.25: v1(-79.1,44.4) -72.475,37.775 -53.4,37.775 v1@-25.7,65.475
  other v1: -25.7,65.45
LCD_R2: RP6.3 U3.85 | length 48.1
  Top Layer w0.25: U3.85@-60.06,42.209 -60.06,38.71 v1(-60.05,38.7)
  Signal Layer 1 w0.25: v1(-60.05,38.7) -53.3,38.7 v1(-26.55,65.45)
LCD_R3: RP6.1 U3.86 | length 46
  Top Layer w0.25: v1(-59.575,39.325) -59.559,39.341 U3.86@-59.559,42.209
  Signal Layer 1 w0.25: v1(-59.575,39.325) -53.425,39.325 v1(-27.3,65.45)
LCD_R4: RP5.7 U3.87 | length 43.4
  Top Layer w0.25: v1(-59.075,39.975) -59.06,39.99 U3.87@-59.06,42.209
  Signal Layer 1 w0.25: v1(-59.075,39.975) -59.1,40 -54.025,40 v1@-28.55,65.475
  other v1: -28.55,65.425
LCD_R5: RP5.5 U3.88 | length 38.8
  Top Layer w0.25: U3.88@-58.559,42.209 -58.525,42.175 v1(-57.35,42.175)
  Signal Layer 1 w0.25: v1(-57.35,42.175) -52.675,42.175 -29.425,65.425 v1(-29.4,65.425)
LCD_R6: RP5.3 U3.89 | length 35.1
  Top Layer w0.25: U3.89@-56.494,44.275 v1(-54.35,44.275)
  Signal Layer 1 w0.25: v1(-54.35,44.275) -51.325,44.275 v1(-30.175,65.425)
LCD_R7: R22.1 R23.1 RP5.1 U3.110 | length 32.7
  Top Layer w0.254: U3.110@-56.494,54.775 -53.631,54.775 R22.1@-53.356,54.5 R23.1@-53.356,53.075 R23.1@-53.356,53
  Signal Layer 1 w0.254: v1(-54.5,54.725) -41.675,54.725 v1(-30.975,65.425)
LCD_UD: J1.40 R18.1 R19.1 | length 19.1
  Top Layer w0.25: J1.40@-26.975,74.525 -26.975,76.225 -23.725,79.475 -12.825,79.475 R18.1@-12.6,79.25 R19.1@-11,79.25
LCD_VS: RP7.3 U3.11 | length 27.8
  Top Layer w0.2: v1(-84,60.725) -83.95,60.775 U3.11@-82.125,60.775
  Signal Layer 1 w0.2: v1(-84,60.725) -84.05,60.775 -84.05,64.25 -79.7,68.6 -79.7,73.1 -76.375,76.425 v1(-69.325,76.425)
LED0: D7.2 U3.2 | length 41.9
  Top Layer w0.25: D7.2@-93.8,37.55 -90.175,41.175 -90.175,52.55 -88.275,54.45 -88.275,67.675 -87,68.95 -84.7,68.95 -83.612,67.862 -83.612,65.638 -83.25,65.275 U3.2@-82.125,65.275
LINK_LED: J9.12 J10.7 R59.2 U7.3 | length 65.2
  Top Layer w0.254: U7.3@0.2,76.975 6.925,76.975 R59.2@7.6,76.3
  Signal Layer 1 w0.254: J9.12@-21.604,48.836 -18.565,51.875 3.45,51.875 6.3,54.725 6.3,74.975 v1(7.6,76.275)
  Bottom Layer w0.254: v1(7.6,76.275) 8.25,76.925 J10.7@8.25,81.05
NetC01_1: C01.1 C5.1 U1.13 | length 4.8
  Top Layer w0.3: U1.13@13.65,49.275 13.65,46.575 C5.1@13.275,46.2 C01.1@14.875,46.2
NetC1_1: C1.1 U1.17 | length 4
  Top Layer w0.3: U1.17@16.45,51.375 17.5,51.375 19.375,49.5 C1.1@19.625,49.5
NetC3_1: C3.1 R2.2 U1.15 | length 6.6
  Top Layer w0.3: U1.15@14.95,49.275 14.95,49.225 C3.1@17.95,46.225 17.95,46.1 R2.2@19.5,44.55
NetC4_1: C4.1 U1.8 | length 2.7
  Top Layer w0.3: C4.1@8.2,52.05 U1.8@10.85,52.05
NetC5_2: C5.2 R67.2 | length 1.8
  Top Layer w0.3: C5.2@13.275,44.5 13.275,42.825 R67.2@13.35,42.75
NetC6_2: C6.2 C118.2 L1.1 U1.2 | length 26.6
  Top Layer w0.5: U1.2@14.3,54.875 14.3,56.65 14.925,57.275 v4(15.475,57.275)
  Top Layer w1: C6.2@19.925,38.575 L1.1@23.119,38.575
  Bottom Layer w1: v4(15.475,57.275) 19.7,53.05 C6.2@19.7,38.8
NetC8_1: C8.1 U1.14 | length 3.9
  Top Layer w0.3: U1.14@14.3,49.275 14.3,48.3 C8.1@16.4,46.2
NetC9_2: C9.2 Q2.2 R10.1 | length 3.8
  Top Layer w1: C9.2@3.05,42.275 R10.1@4.825,42.275 5.275,42.275 Q2.2@6.384,43.384
NetC11_1: C11.1 R12.2 | length 1.8
  Bottom Layer w0.5: C11.1@-6.275,62.375 R12.2@-4.5,62.375
NetC11_2: C11.2 D2.3 T1.15 | length 19.2
  Top Layer w0.5: D2.3@-9.5,60.575 -7.725,62.35 3.525,62.35 5.95,59.925 T1.15@5.95,57.925
  other v5: -7.825,62.25
NetC12_1: C12.1 R13.2 | length 1.8
  Bottom Layer w0.5: C12.1@-6.375,56.7 R13.2@-4.575,56.7
NetC12_2: C12.2 D2.4 T1.10 | length 13.4
  Top Layer w0.5: D2.4@-9.5,58.075 D2.4@-9.325,58.075 ; v5(-7.925,56.675) D2.4@-9.325,58.075 ; T1.10@-0.425,57.1 -0.425,58.675 -1.05,59.3 -7.8,59.3 -9.025,58.075 D2.4@-9.325,58.075
NetC13_1: C13.1 D1.2 D2.1 D13.1 R3.1 U1.4 | length 27.4
  Top Layer w0.5: D2.1@-4.5,58.075 -4.975,58.075 -6.15,56.9 -6.15,54.725 -5,53.575 D13.1@-4.475,53.575 8.925,53.575 10.05,54.7 R3.1@10.05,54.725 11.325,56 13,56 ; C13.1@12.9,57.275 13,57.175 13,56 ; U1.4@13,54.875 13,56
NetC17_2: C17.2 C18.2 J1.6 J1.46 R26.1 R28.1 | length 46.1
  Top Layer w0.25: C17.2@-53.75,77.85 C18.2@-52.075,77.85 -50.575,79.35 -46.825,79.35 v1(-43.975,76.5) J1.6@-43.975,74.525 ; J1.46@-23.975,74.525 v1(-23.975,76.475) -21.375,79.075 -17.175,79.075 R26.1@-16.45,78.35 R28.1@-14.775,78.35
  Signal Layer 1 w0.25: v1@-43.975,76.475 v1(-23.975,76.475)
NetC20_2: C20.2 U3.81 | length 3.7
  Top Layer w0.254: C20.2@-63.2,38.975 -63.2,39.8 -62.06,40.94 U3.81@-62.06,42.209
NetC23_2: C23.2 U3.125 | length 3.9
  Top Layer w0.254: U3.125@-56.494,62.275 -54.5,62.275 -53.35,61.125 C23.2@-53.1,61.125
NetC24_2: C24.2 C25.2 R32.1 U4.12 U4.37 | length 8.1
  Bottom Layer w0.254: C24.2@-91.325,37 -90.7,37.625 U4.37@-90.7,39.825 ; U4.12@-90.7,59.825 -90.7,63.35 C25.2@-89.65,64.4
NetC31_1: C31.1 U3.29 Y2.3 | length 4.8
  Top Layer w0.254: C31.1@-85.5,53.825 -85,53.325 Y2.3@-85,52.35 -84.425,51.775 U3.29@-82.125,51.775
NetC32_2: C32.2 U3.30 Y2.1 | length 7.1
  Top Layer w0.254: C32.2@-87.15,48.95 -87.3,49.1 Y2.1@-87.3,50.5 -86.525,51.275 U3.30@-82.125,51.275
NetC33_2: C33.2 R51.1 U6.52 | length 3.7
  Bottom Layer w0.2: C33.2@31.199,81.325 31.125,81.251 R51.1@31.125,79.65 31.3,79.475 U6.52@33.025,79.475
NetC48_1: C48.1 U2.8 | length 6.2
  Top Layer w0.25: C48.1@31.725,68.75 33.425,67.05 36.98,67.05 U2.8@37.15,66.88
NetC48_2: C48.2 D4.2 L8.2 U2.1 | length 15.7
  Top Layer w0.3: 29.95,66.88 30.025,66.955 C48.2@30.025,68.75 ; U2.1@31.65,66.88 U2.1@31.65,66.95
  Top Layer w1: L8.2@21.971,61.55 21.971,64.621 24.23,66.88 29.95,66.88 U2.1@31.65,66.88
NetC51_1: C51.1 R45.1 | length 1.8
  Top Layer w0.25: R45.1@25.45,63.325 25.475,63.35 C51.1@27.2,63.35
NetC51_2: C51.2 U2.3 | length 3.2
  Top Layer w0.3: C51.2@28.9,63.35 29.89,64.34 U2.3@31.65,64.34
NetC62_2: C62.2 U6.35 | length 5.7
  Bottom Layer w0.2: C62.2@26.6,72.351 26.626,72.325 U6.35@32.275,72.325
NetC63_2: C63.2 U6.32 | length 5.7
  Bottom Layer w0.2: C63.2@30.424,67.325 33.825,70.726 U6.32@33.825,71.575
NetC65_2: C65.2 C66.2 U7.6 | length 4.9
  Top Layer w0.25: U7.6@0.2,78.475 2.8,78.475 C66.2@3.25,78.925 3.25,80.55 C65.2@3.225,80.575
NetC70_1: C70.1 R68.2 U7.4 Y3.2 | length 28.3
  Top Layer w0.25: U7.4@0.2,77.475 10.175,77.475 11.55,76.1 11.55,70.4 12.875,69.075 Y3.2@12.875,67.269 ; Y3.2@12.875,68.275 13.375,68.775 C70.1@16.025,68.775 15.975,68.825 R68.2@15.975,71.35 ; 14.625,71.244 14.625,72.25
NetC71_1: C71.1 R68.1 U7.5 Y3.1 | length 21
  Top Layer w0.25: U7.5@0.2,77.975 12.169,77.975 Y3.1@12.875,77.269 Y3.1@12.875,76.575 ; Y3.1@12.875,75.5 Y3.1@12.875,76.575 ; R68.1@16.025,73.1 C71.1@16.025,75.9 13.55,75.9 Y3.1@12.875,76.575
NetC73_2: U8.5
NetC75_2: C75.2 L3.1 U9.46 | length 4.6
  Top Layer w0.2: L3.1@-99.95,60.525 C75.2@-99.95,62.1 -99.925,62.125 U9.46@-96.925,62.125
NetC76_1: C76.1 U9.35 X1.3 | length 7.7
  Top Layer w0.2: C76.1@-101.25,66.925 -99.851,68.324 X1.3@-99.595,68.324 -99.244,68.675 -96.75,68.675 -95.525,67.45 U9.35@-95.525,66.725
NetC77_1: C77.1 U9.2 X2.1 | length 6.5
  Top Layer w0.2: C77.1@-97.875,54.825 X2.1@-97.875,56.125 -97.875,56.45 -95.525,58.8 U9.2@-95.525,60.325
NetC80_1: C80.1 U9.34 X1.1 | length 10
  Top Layer w0.2: C80.1@-98.05,73.85 -98.05,72.156 -98.925,71.281 -98.925,70.025 -98.075,69.175 -96.55,69.175 -95.125,67.75 U9.34@-95.125,66.725